# Altium PCB TAUV-Interfacer (DESKTOP-2772EO1's conflicted copy 2019-07-07).PcbDoc (part 1 of 3)
Units mil, origin at the board's own origin, x right, y up, seen from the top; angles counter-clockwise.
Board outline 4460 x 2525 mil, 4 copper layers (Component Side, Ground Plane, Power Plane, Solder Side), stack 33.234 mil thick; 225 components, 149 nets, 798 pads, 197 vias.
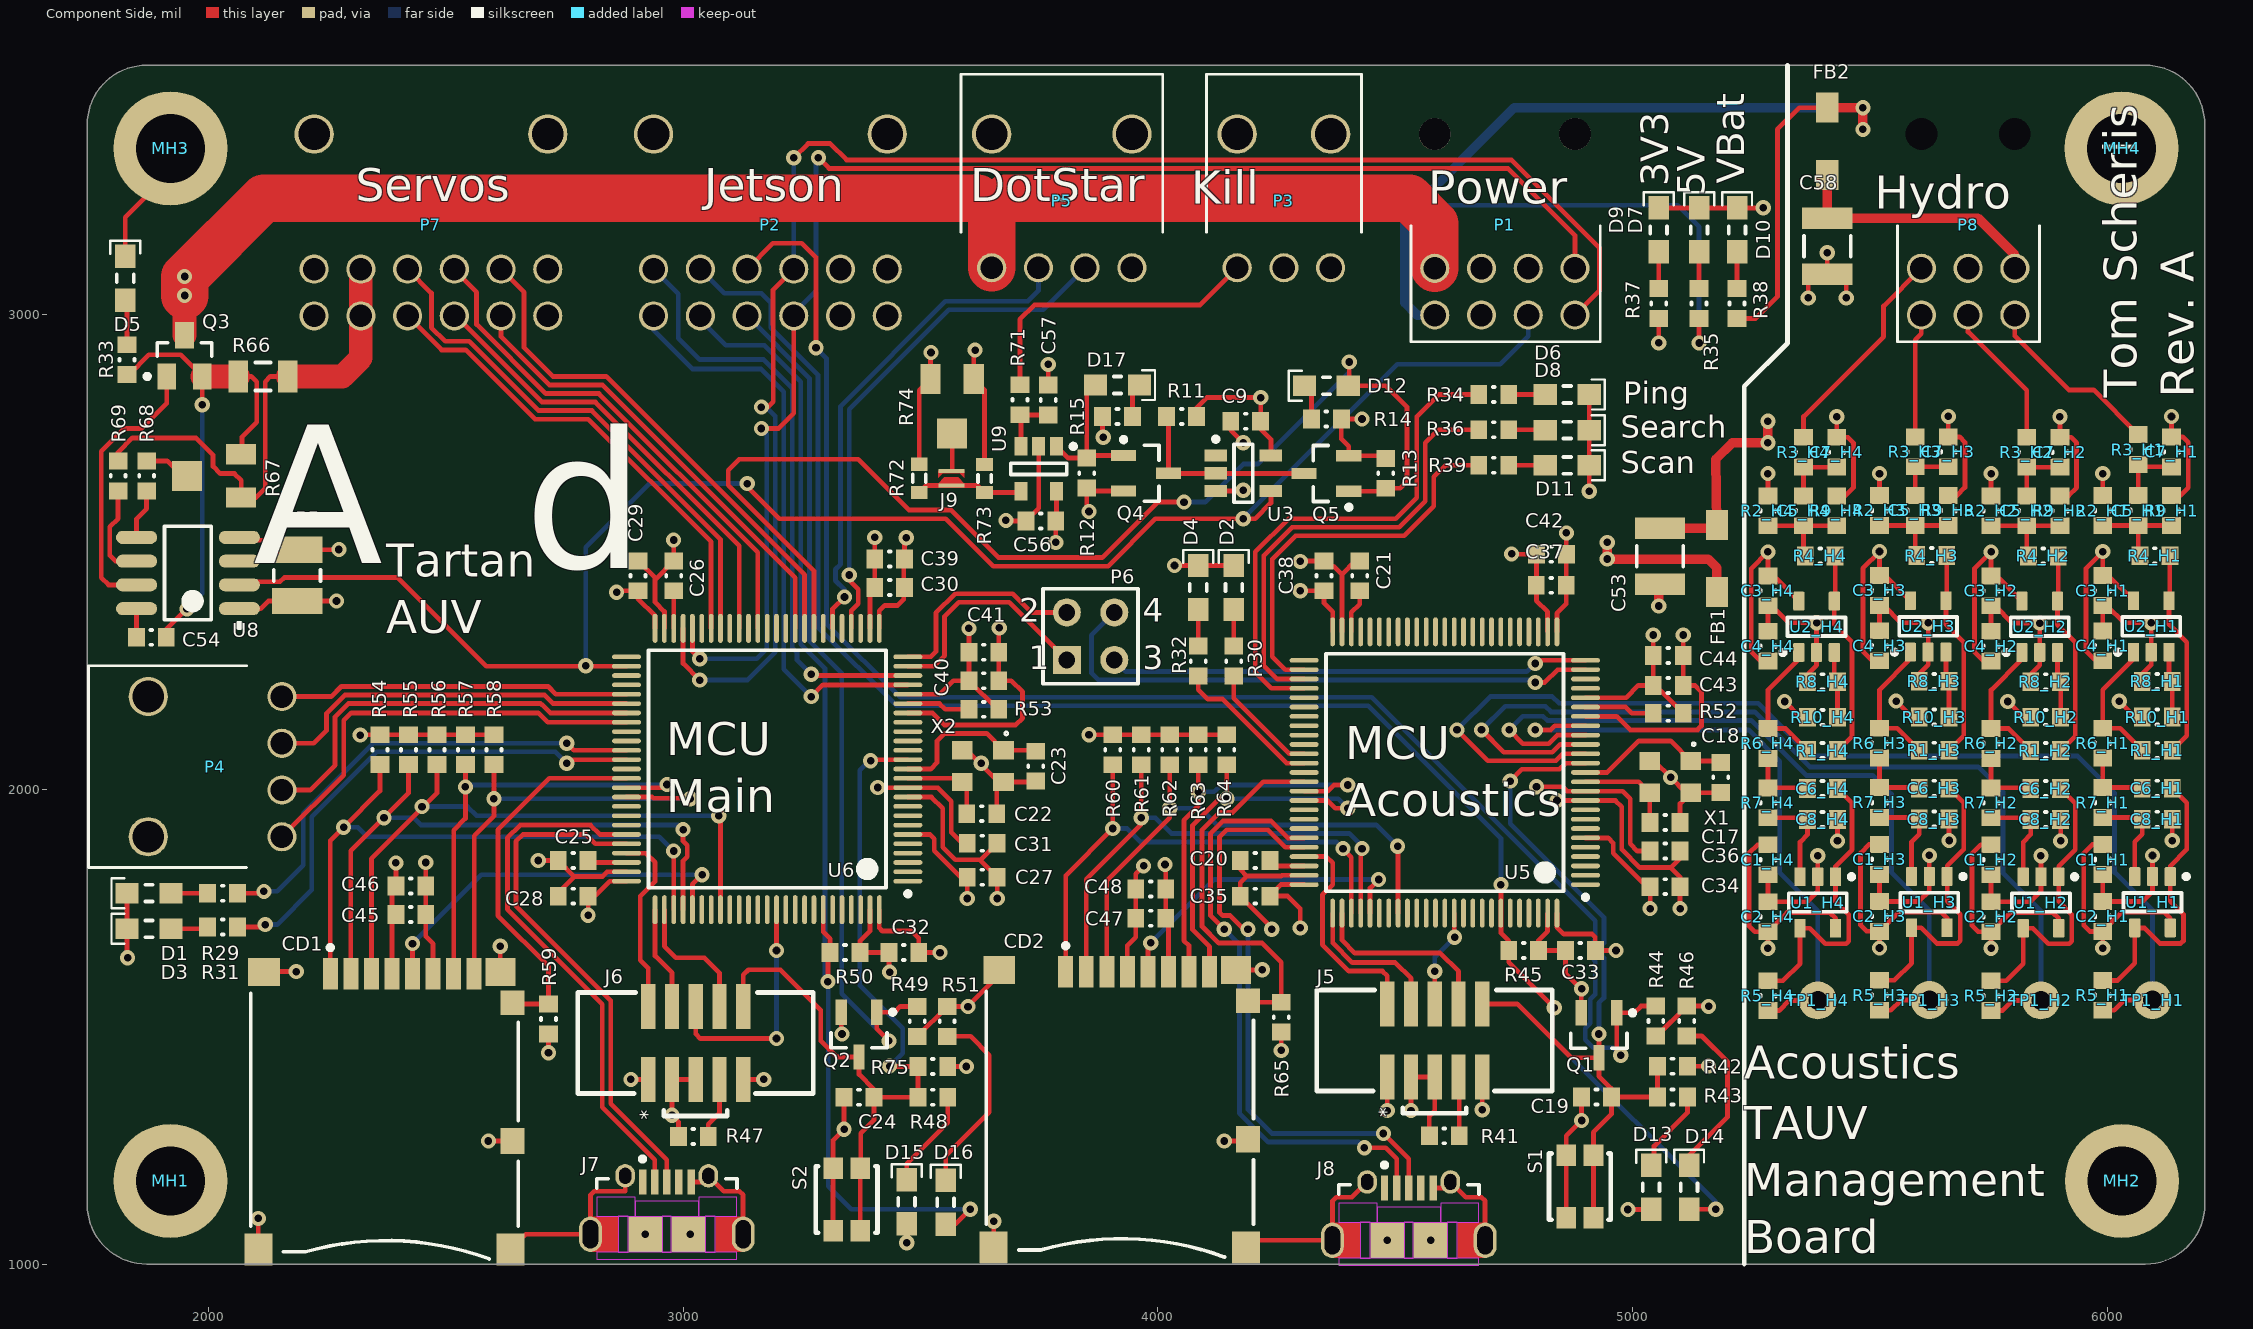
[diagram p0: Component Side view]
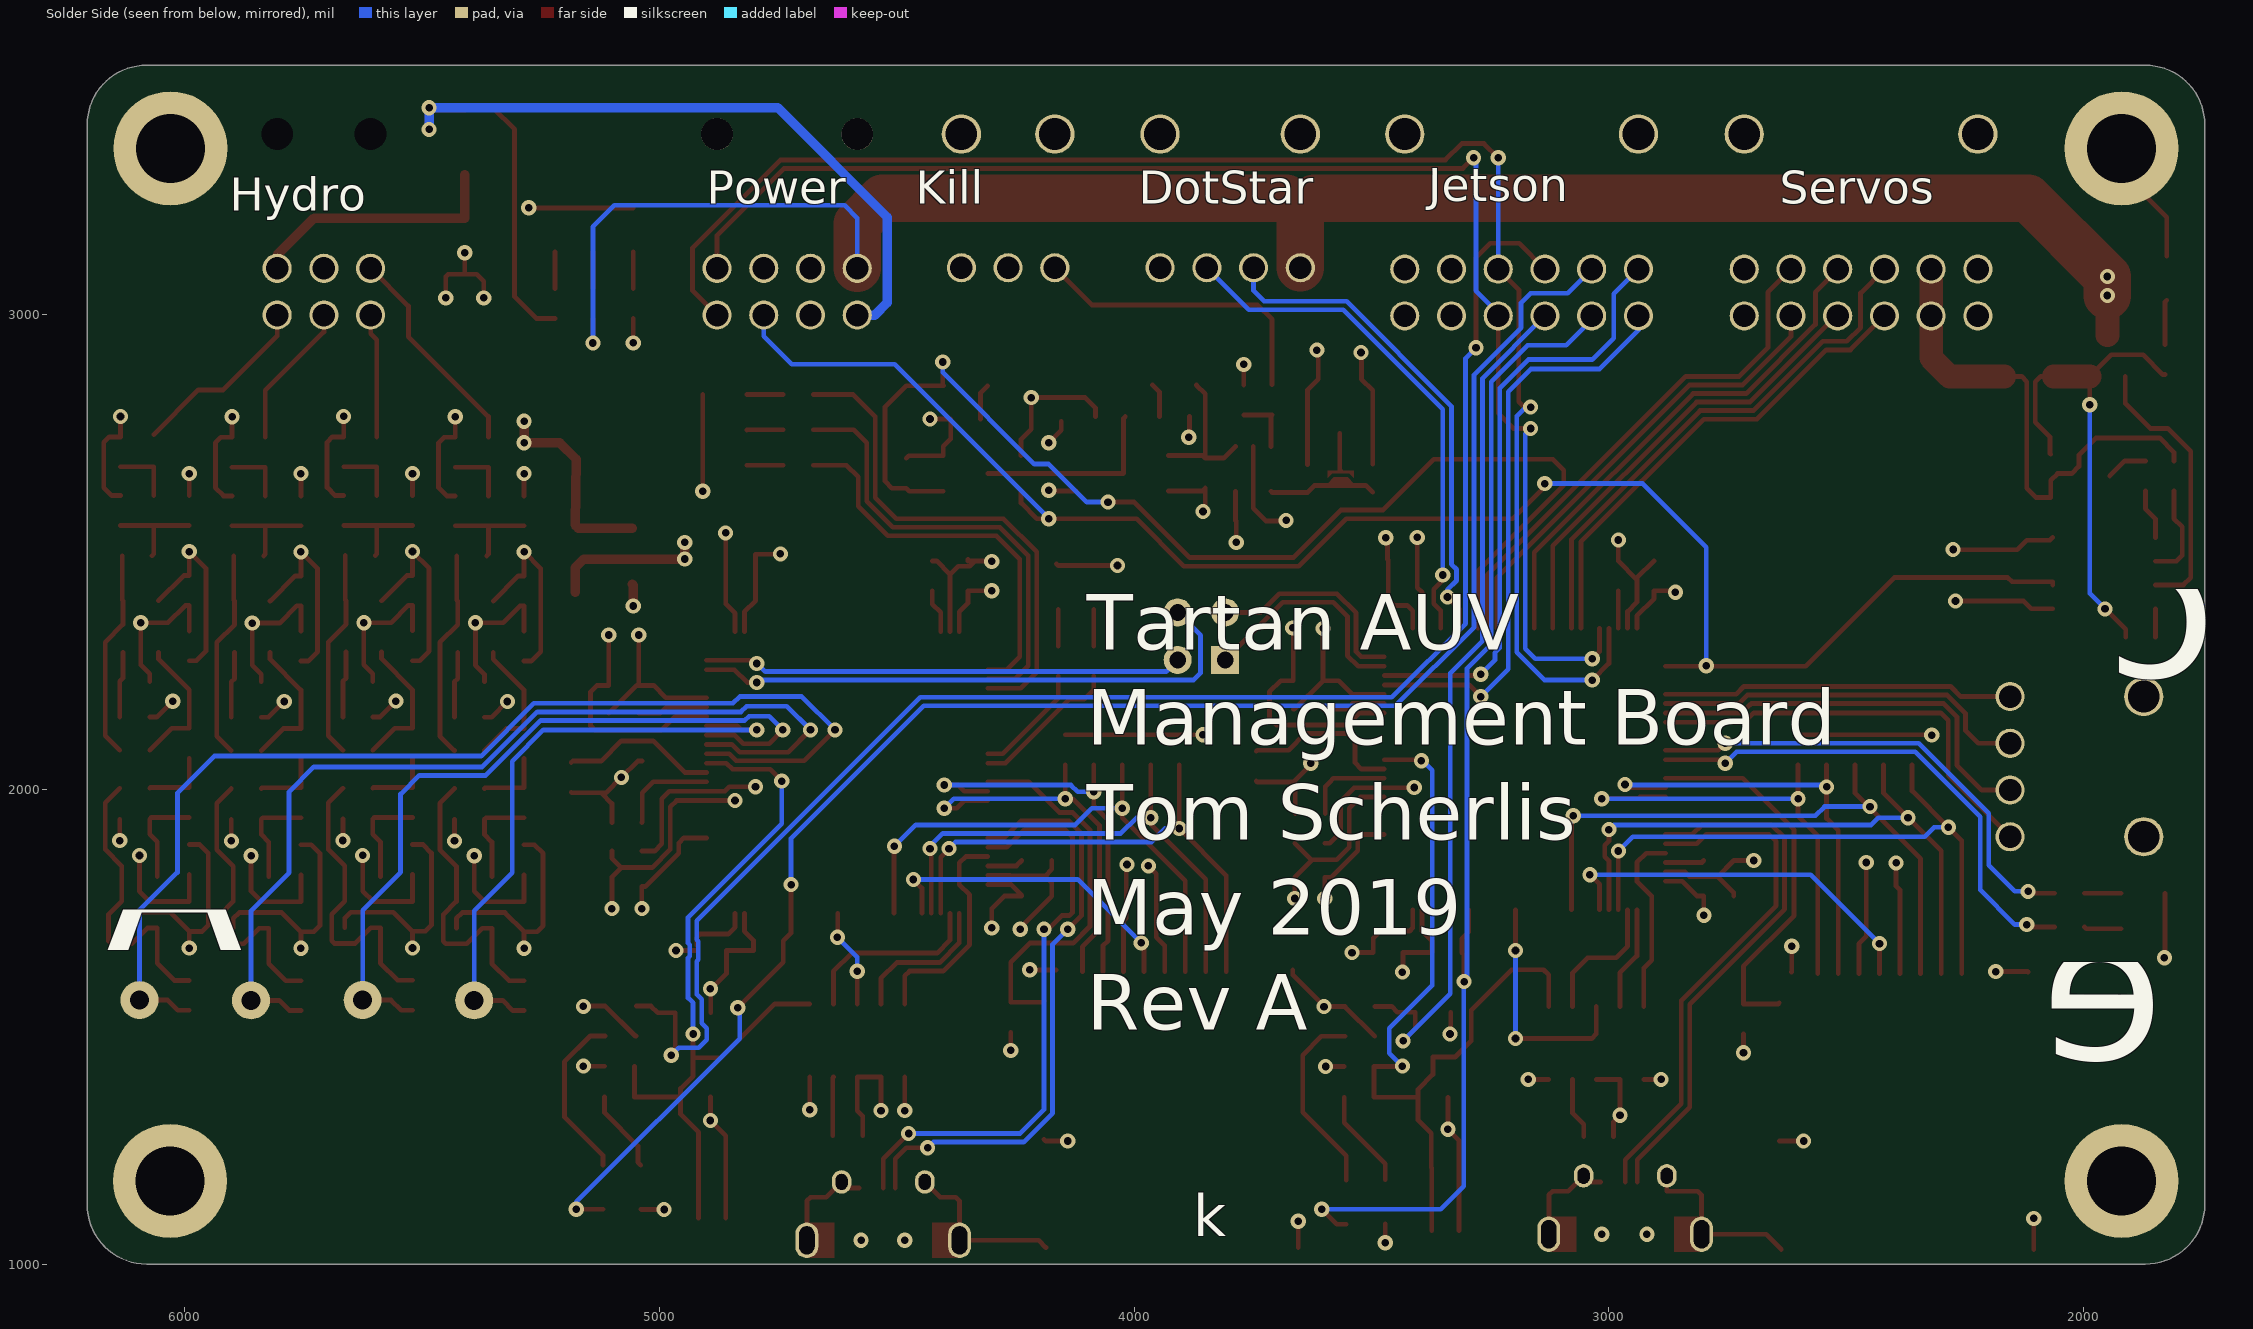
[diagram p1: Solder Side view, seen from below]
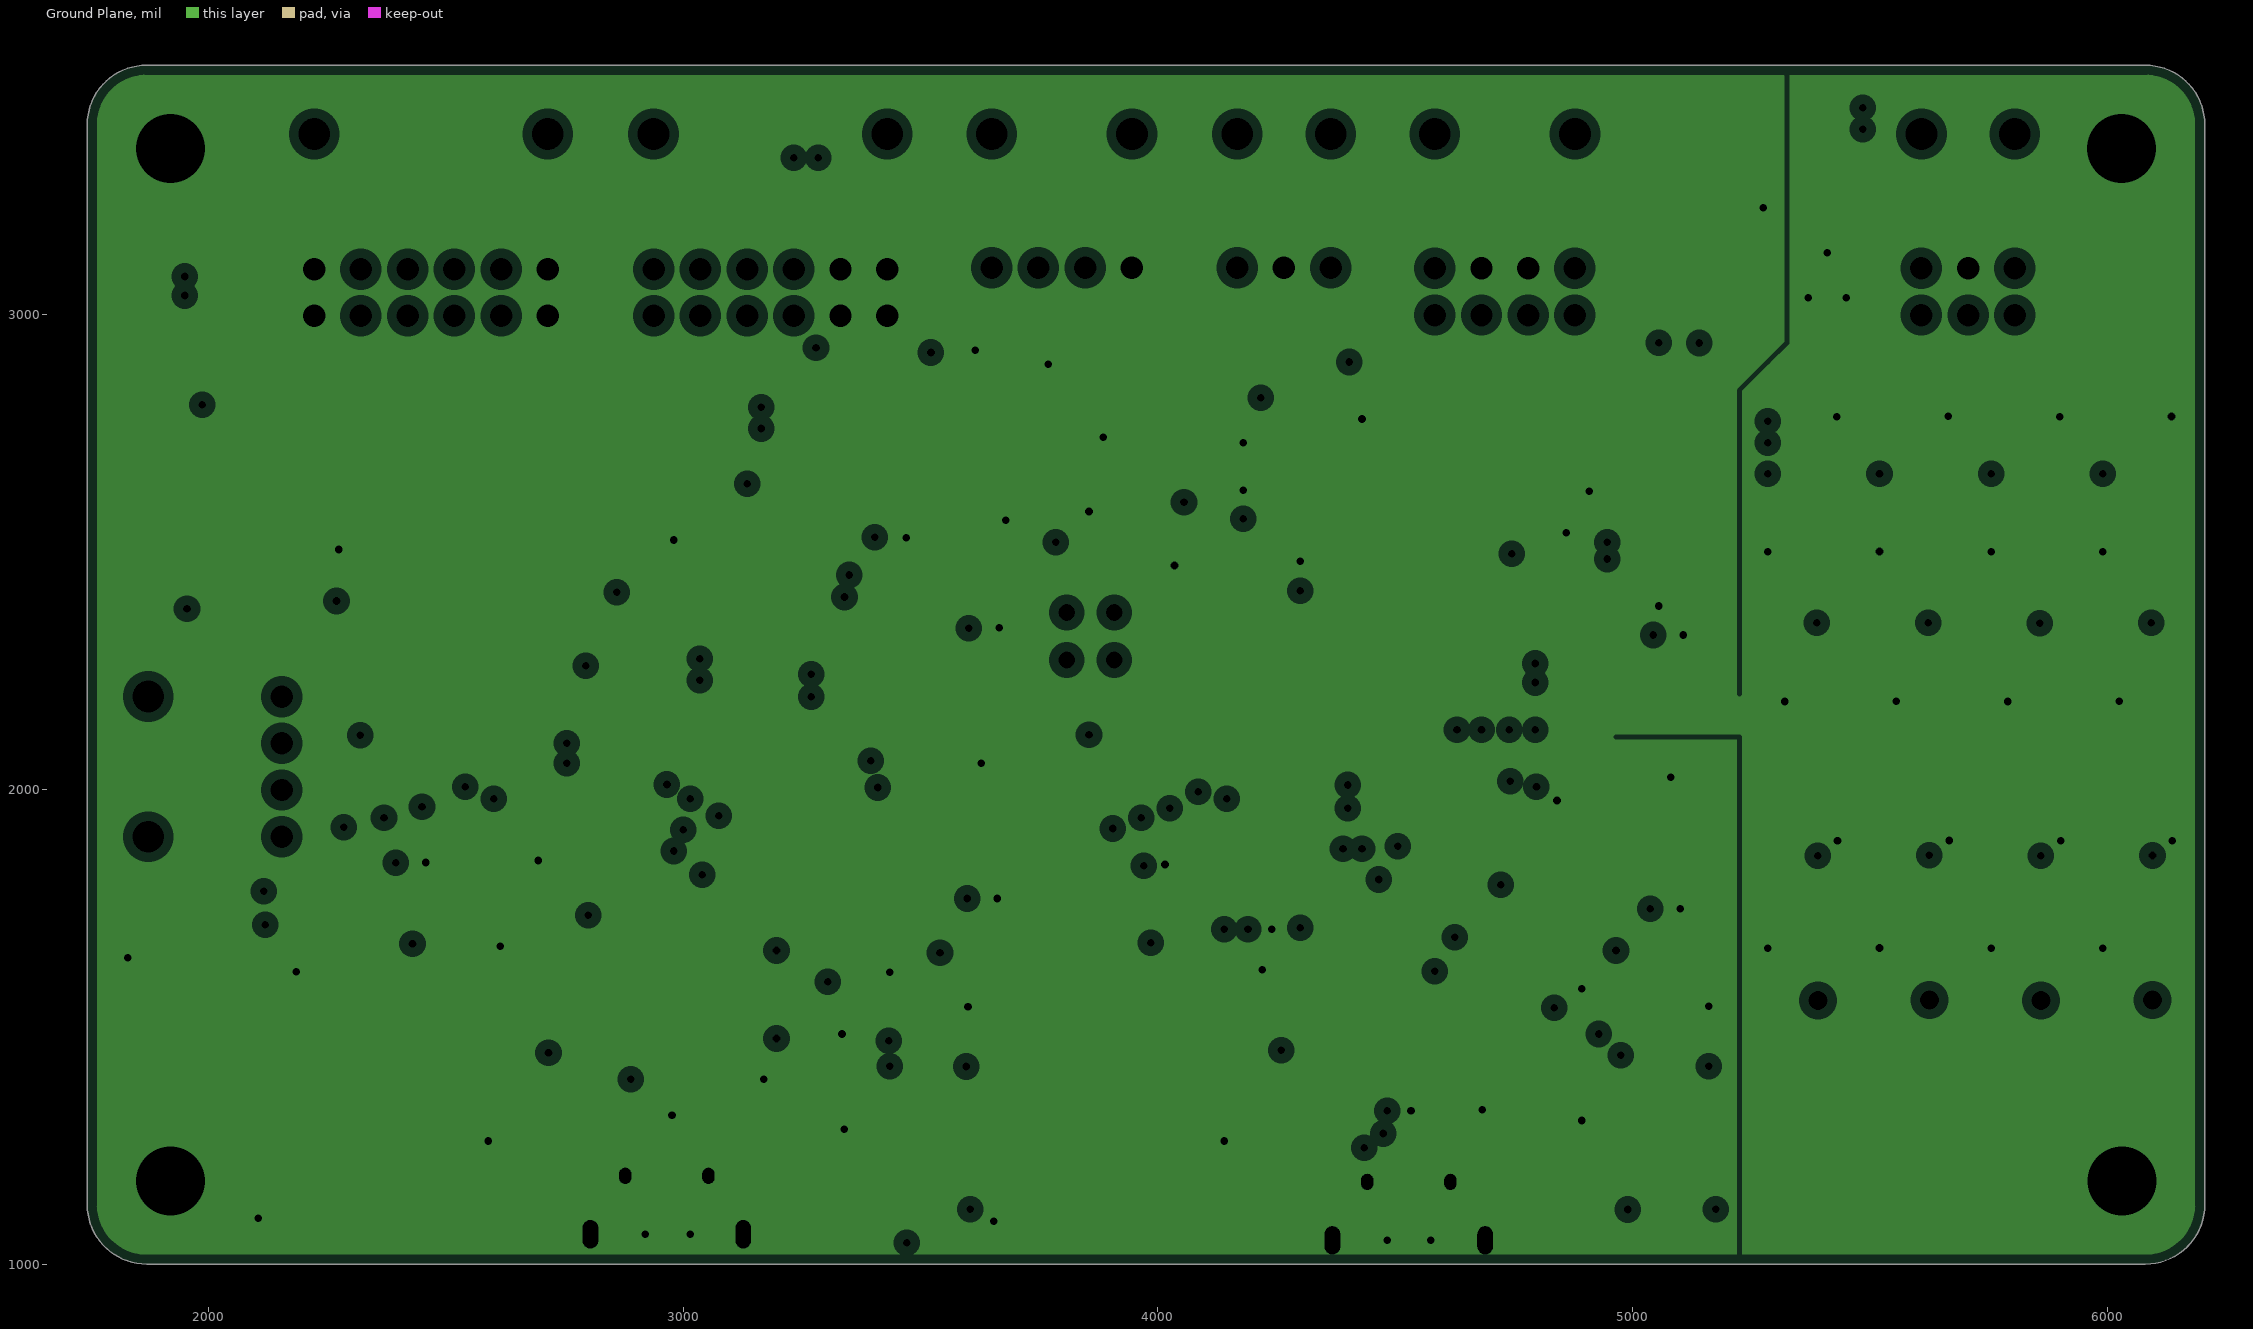
[diagram p2: Ground Plane, clearances drawn from the general rule]
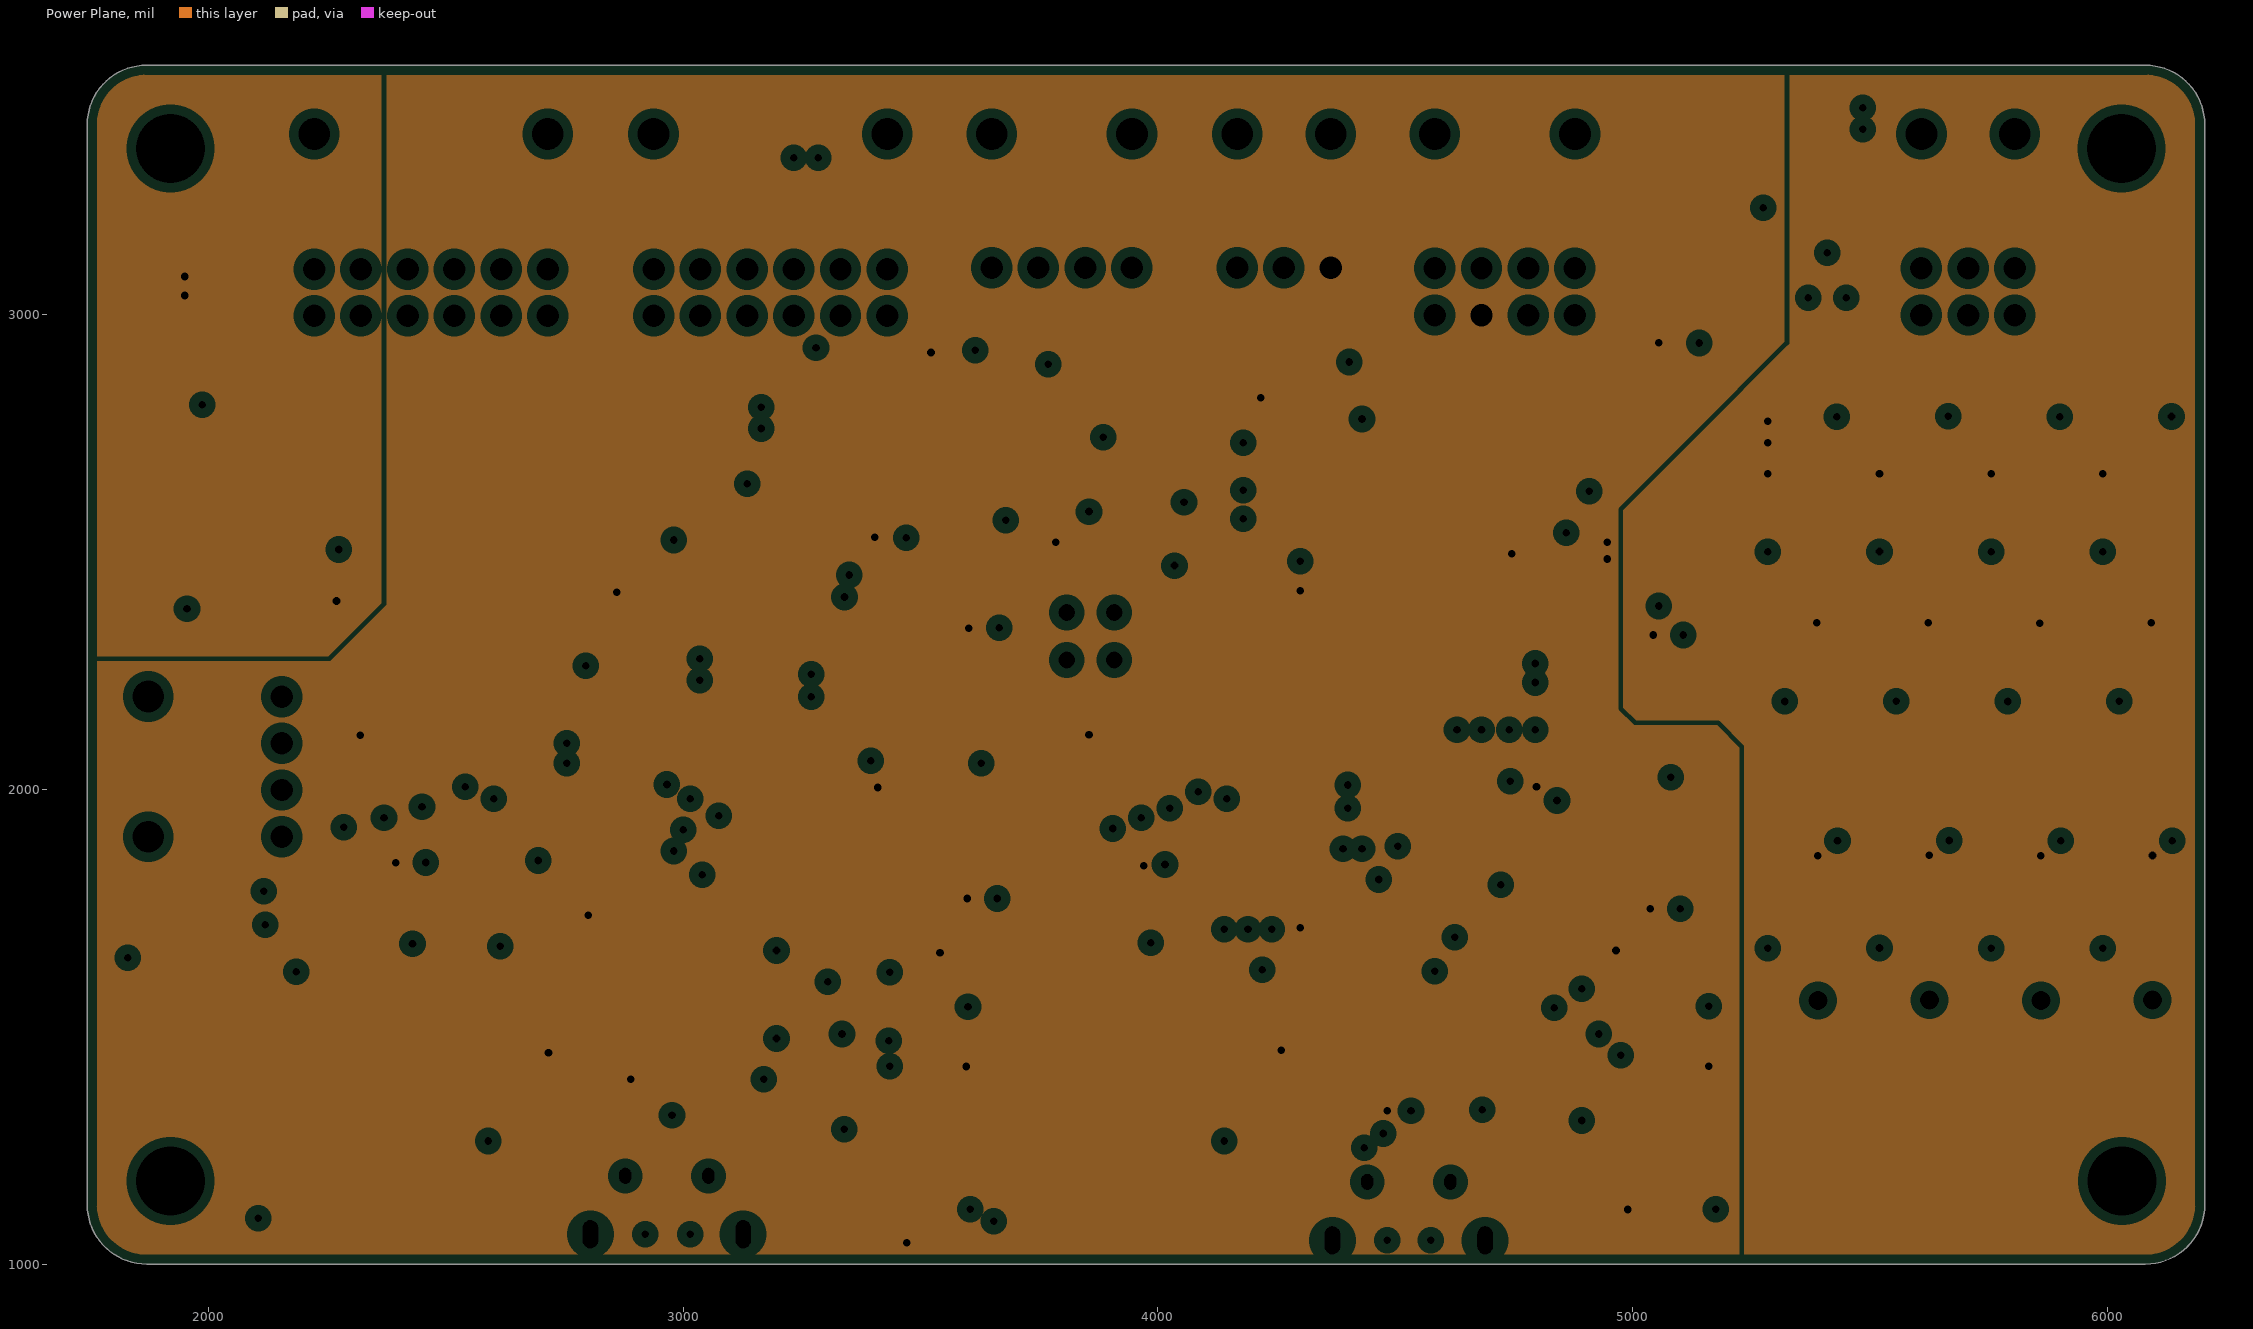
[diagram p3: Power Plane, clearances drawn from the general rule]

## Layer stack, top to bottom
Top Solder: solder mask 0.4, Solder Resist, Dk 3.5
Component Side: signal copper 1.4
Dielectric 1: core 12.6, FR-4, Dk 4.8
Ground Plane: plane copper 1.417, net GND
Dielectric 3: prepreg 5, Dk 4.2
Power Plane: plane copper 1.417, net (Multiple Nets)
Dielectric 4: core 10, Dk 4.2
Solder Side: signal copper 1.4
Bottom Solder: solder mask 0.4, Solder Resist, Dk 3.5

## Board outline
1870,1000 6080,1000 ccw(c6080,1125) 6205,1125 6205,3400 ccw(c6080,3400) 6080,3525 1870,3525 ccw(c1870,3400) 1745,3400 1745,1125 ccw(c1870,1125)

## Design rules (kind name [scope] priority, off if disabled: settings)
Clearance [Not ((InComponent('J7') OR InComponent('J8')))] p1: gap=8 ignorepadtopadclearanceinfootprint=FALSE
HoleSize [All] p1: absolutevalues=TRUE maxlimit=200 minlimit=1 maxpercent=80.000 minpercent=20.000
PlaneClearance [All] p1: clearance=20
PlaneConnect [All] p1: planeconnectstyle=Relief reliefexpansion=20 reliefentries=4 reliefconductorwidth=30 reliefairgap=10
PolygonConnect [All] p1: connectstyle=Relief reliefconductorwidth=10 reliefentries=4 polygonreliefangle="90 Angle" airgapwidth=10
RoomDefinition H4 [InComponentClass('H4')] p1: confinementstyle=ConfineIn formatcopy=TRUE lockcomponents=FALSE outline 5235,1490 5475,1490 5475,2821.5 5235,2821.5
RoomDefinition H3 [InComponentClass('H3')] p2: confinementstyle=ConfineIn formatcopy=TRUE lockcomponents=FALSE outline 5470,1490.75 5710,1490.75 5710,2822.24 5470,2822.24
RoomDefinition H2 [InComponentClass('H2')] p3: confinementstyle=ConfineIn formatcopy=TRUE lockcomponents=FALSE outline 5705,1490 5945,1490 5945,2821.5 5705,2821.5
RoomDefinition H1 [InComponentClass('H1')] p4: confinementstyle=ConfineIn formatcopy=TRUE lockcomponents=FALSE outline 5940,1490.59 6180,1490.59 6180,2822.09 5940,2822.09
RoutingVias [All] p1: holewidth=16 width=32 viastyle="Through Hole" minholewidth=16 minwidth=32 maxholewidth=28 maxwidth=50
SolderMaskExpansion [All] p1: expansion=4
Width [All] p1: maxlimit=100 minlimit=8 preferedwidth=10 minimp=50.000000 maximp=50.000000 favimp=50.000000
27 further rules are at their usual default settings.

## Classes and differential pairs
component class H4: C1_H4 C2_H4 C3_H4 C4_H4 C5_H4 C6_H4 C7_H4 C8_H4 R1_H4 R2_H4 R3_H4 R4_H4 R5_H4 R6_H4 R7_H4 R8_H4 R9_H4 R10_H4 TP1_H4 U1_H4 U2_H4
component class H3: C1_H3 C2_H3 C3_H3 C4_H3 C5_H3 C6_H3 C7_H3 C8_H3 R1_H3 R2_H3 R3_H3 R4_H3 R5_H3 R6_H3 R7_H3 R8_H3 R9_H3 R10_H3 TP1_H3 U1_H3 U2_H3
component class H2: C1_H2 C2_H2 C3_H2 C4_H2 C5_H2 C6_H2 C7_H2 C8_H2 R1_H2 R2_H2 R3_H2 R4_H2 R5_H2 R6_H2 R7_H2 R8_H2 R9_H2 R10_H2 TP1_H2 U1_H2 U2_H2
component class H1: C1_H1 C2_H1 C3_H1 C4_H1 C5_H1 C6_H1 C7_H1 C8_H1 R1_H1 R2_H1 R3_H1 R4_H1 R5_H1 R6_H1 R7_H1 R8_H1 R9_H1 R10_H1 TP1_H1 U1_H1 U2_H1
channel class Hydrophone: U_Hydrophone_1 U_Hydrophone_2 U_Hydrophone_3 U_Hydrophone_4
net class Hydrophone1: AVCC_3V3 GND HYDRO1 HYDRO2 HYDRO3 HYDRO4 HYDRO_IN_1 HYDRO_IN_2 HYDRO_IN_3 HYDRO_IN_4 NetC5_H1_1 NetC5_H1_2 NetC5_H2_1 NetC5_H2_2 NetC5_H3_1 NetC5_H3_2 NetC5_H4_1 NetC5_H4_2 NetC6_H1_1 NetC6_H1_2 NetC6_H2_1 NetC6_H2_2 NetC6_H3_1 NetC6_H3_2 NetC6_H4_1 NetC6_H4_2 NetC8_H1_2 NetC8_H2_2 NetC8_H3_2 NetC8_H4_2 NetR1_H1_1 NetR1_H1_2 NetR1_H2_1 NetR1_H2_2 NetR1_H3_1 NetR1_H3_2 NetR1_H4_1 NetR1_H4_2 NetR8_H1_2 NetR8_H2_2 NetR8_H3_2 NetR8_H4_2
net class JTAG: MCU1_NRST MCU1_TCK MCU1_TDI MCU1_TDO MCU1_TMS MCU2_NRST MCU2_TCK MCU2_TDI MCU2_TDO MCU2_TMS
component class U_USB: J8
component class U_Servos: C54 C55 P7 Q3 R66 R67 R68 R69 U8
component class U_SD: C45 C46 C47 C48 CD1 CD2 R54 R55 R56 R57 R58 R59 R60 R61 R62 R63 R64 R65
component class U_Power: C53 C58 FB1 FB2
component class U_MCU_Powers: C27 C28 C29 C30 C31 C32 C33 C34 C35 C36 C37 C38 C39 C40 C41 C42 C43 C44 R52 R53
component class U_MCU_Main: C22 C23 C24 C25 C26 D15 D16 J6 P6 Q2 R47 R48 R49 R50 R51 R75 S2 U6 X2
component class U_MCU_Hydro: C17 C18 C19 C20 C21 D13 D14 J5 Q1 R41 R42 R43 R44 R45 R46 S1 U5 X1
component class U_Interface: D1 D2 D3 D4 D5 D6 D7 D8 D9 D10 D11 MH1 MH2 MH3 MH4 P1 P2 P3 P4 P5 R29 R30 R31 R32 R33 R34 R35 R36 R37 R38 R39
component class U_Hydrophones: P8
component class U_Hall_Effect: C9 C56 C57 D12 D17 J9 Q4 Q5 R11 R12 R13 R14 R15 R71 R72 R73 R74 U3 U9

## Components (designator, comment, footprint, x,y, rotation, side; value= is the part's Value field where it differs from the comment)
C1_H1 "1uF" CAPC0603(1608)100_N 5990,1852.09 r90 top (schematic designator C1)
C1_H2 "1uF" CAPC0603(1608)100_N 5755,1851.5 r90 top (schematic designator C1)
C1_H3 "1uF" CAPC0603(1608)100_N 5520,1852.24 r90 top (schematic designator C1)
C1_H4 "1uF" CAPC0603(1608)100_N 5285,1851.5 r90 top (schematic designator C1)
C2_H1 "100nF" CAPC0603(1608)100_N 5990,1732.09 r90 top (schematic designator C2)
C2_H2 "100nF" CAPC0603(1608)100_N 5755,1731.5 r90 top (schematic designator C2)
C2_H3 "100nF" CAPC0603(1608)100_N 5520,1732.24 r90 top (schematic designator C2)
C2_H4 "100nF" CAPC0603(1608)100_N 5285,1731.5 r90 top (schematic designator C2)
C3_H1 "1uF" CAPC0603(1608)100_N 5990,2418.58 r90 top (schematic designator C3)
C3_H2 "1uF" CAPC0603(1608)100_N 5755,2417.99 r90 top (schematic designator C3)
C3_H3 "1uF" CAPC0603(1608)100_N 5520,2418.74 r90 top (schematic designator C3)
C3_H4 "1uF" CAPC0603(1608)100_N 5285,2417.99 r90 top (schematic designator C3)
C4_H1 "100nF" CAPC0603(1608)100_N 5990,2302.09 r90 top (schematic designator C4)
C4_H2 "100nF" CAPC0603(1608)100_N 5755,2301.5 r90 top (schematic designator C4)
C4_H3 "100nF" CAPC0603(1608)100_N 5520,2302.24 r90 top (schematic designator C4)
C4_H4 "100nF" CAPC0603(1608)100_N 5285,2301.5 r90 top (schematic designator C4)
C5_H1 "10nF" CAPC0603(1608)100_N 6065,2587.09 r270 top (schematic designator C5)
C5_H2 "10nF" CAPC0603(1608)100_N 5830,2586.5 r270 top (schematic designator C5)
C5_H3 "10nF" CAPC0603(1608)100_N 5595,2587.24 r270 top (schematic designator C5)
C5_H4 "10nF" CAPC0603(1608)100_N 5360,2586.5 r270 top (schematic designator C5)
C6_H1 "47nF" CAPC0603(1608)100_N 6105,2002.09 r0 top (schematic designator C6)
C6_H2 "47nF" CAPC0603(1608)100_N 5870,2001.5 r0 top (schematic designator C6)
C6_H3 "47nF" CAPC0603(1608)100_N 5635,2002.24 r0 top (schematic designator C6)
C6_H4 "47nF" CAPC0603(1608)100_N 5400,2001.5 r0 top (schematic designator C6)
C7_H1 "10nF" CAPC0603(1608)100_N 6135,2710.59 r270 top (schematic designator C7)
C7_H2 "10nF" CAPC0603(1608)100_N 5900,2710 r270 top (schematic designator C7)
C7_H3 "10nF" CAPC0603(1608)100_N 5665,2710.75 r270 top (schematic designator C7)
C7_H4 "10nF" CAPC0603(1608)100_N 5430,2710 r270 top (schematic designator C7)
C8_H1 "47nF" CAPC0603(1608)100_N 6105,1937.09 r180 top (schematic designator C8)
C8_H2 "47nF" CAPC0603(1608)100_N 5870,1936.5 r180 top (schematic designator C8)
C8_H3 "47nF" CAPC0603(1608)100_N 5635,1937.24 r180 top (schematic designator C8)
C8_H4 "47nF" CAPC0603(1608)100_N 5400,1936.5 r180 top (schematic designator C8)
C9 "100nF" CAPC0603(1608)100_N 4185,2775 r0 top
C17 "10pF" CAPC0603(1608)100_N 5068.38,1930 r180 top
C18 "10pF" CAPC0603(1608)100_N 5185.67,2025 r90 top
C19 "100nF" CAPC0603(1608)100_N 4923.94,1351.85 r0 top
C20 "CAP 2.2uF" CAPC0603(1608)100_N 4205,1850 r0 top value=2.2uF
C21 "CAP 2.2uF" CAPC0603(1608)100_N 4425,2449.49 r270 top value=2.2uF
C22 "10pF" CAPC0603(1608)100_N 3629.06,1948.76 r180 top
C23 "10pF" CAPC0603(1608)100_N 3742.56,2048.76 r90 top
C24 "100nF" CAPC0603(1608)100_N 3370.55,1351.12 r0 top
C25 "CAP 2.2uF" CAPC0603(1608)100_N 2768.5,1850 r0 top value=2.2uF
C26 "CAP 2.2uF" CAPC0603(1608)100_N 2980.28,2449.49 r270 top value=2.2uF
C27 "100nF" CAPC0603(1608)100_N 3630,1814.55 r180 top
C28 "100nF" CAPC0603(1608)100_N 2768.5,1775 r0 top
C29 "100nF" CAPC0603(1608)100_N 2905,2449.49 r270 top
C30 "100nF" CAPC0603(1608)100_N 3435,2425 r180 top
C31 "100nF" CAPC0603(1608)100_N 3630,1886.21 r180 top
C32 "100nF" CAPC0603(1608)100_N 3465,1656.12 r0 top
C33 "100nF" CAPC0603(1608)100_N 4890,1660.49 r0 top
C34 "100nF" CAPC0603(1608)100_N 5068.38,1795 r180 top
C35 "100nF" CAPC0603(1608)100_N 4205,1775 r0 top
C36 "100nF" CAPC0603(1608)100_N 5068.38,1870 r180 top
C37 "100nF" CAPC0603(1608)100_N 4828.5,2429.49 r180 top
C38 "100nF" CAPC0603(1608)100_N 4350,2449.49 r270 top
C39 "10uF" CAPC0603(1608)100_N 3435,2485 r180 top
C40 "100nF" CAPC0603(1608)100_N 3633.5,2228.82 r180 top
C41 "1uF" CAPC0603(1608)100_N 3633.5,2288.82 r180 top
C42 "10uF" CAPC0603(1608)100_N 4828.9,2495 r180 top
C43 "100nF" CAPC0603(1608)100_N 5075,2218.76 r180 top
C44 "1uF" CAPC0603(1608)100_N 5075,2281.75 r180 top
C45 "100nF" CAPC0603(1608)100_N 2426.58,1736.12 r180 top
C46 "10uF" CAPC0603(1608)100_N 2426.58,1796.12 r180 top
C47 "100nF" CAPC0603(1608)100_N 3985,1728.5 r180 top
C48 "10uF" CAPC0603(1608)100_N 3985,1790 r180 top
C53 "22uF" CAPC1210(3225)100_N 5057.62,2490.98 r270 top
C54 "10nF" CAPC0603(1608)100_N 1880,2320 r0 top
C55 "CAP 22uF 25V 1210(3225)" CAPC1210(3225)220_N 2187.07,2450.49 r270 top value=22uF
C56 "100nF" CAPC0603(1608)100_N 3753.5,2565 r180 top
C57 "1uF" CAPC0603(1608)100_N 3768.98,2820 r270 top
C58 "22uF" CAPC1210(3225)100_N 5410,3143.9 r270 top
CD1 "502774-0891" MOLX-502774-0891_V 2371.06,1321.12 r0 top
CD2 "502774-0891" MOLX-502774-0891_V 3920,1325 r0 top
D1 "LED BLUE" LED_0805 1875,1781.24 r0 top